# KiCad board everestCM4.kicad_pcb (continued)
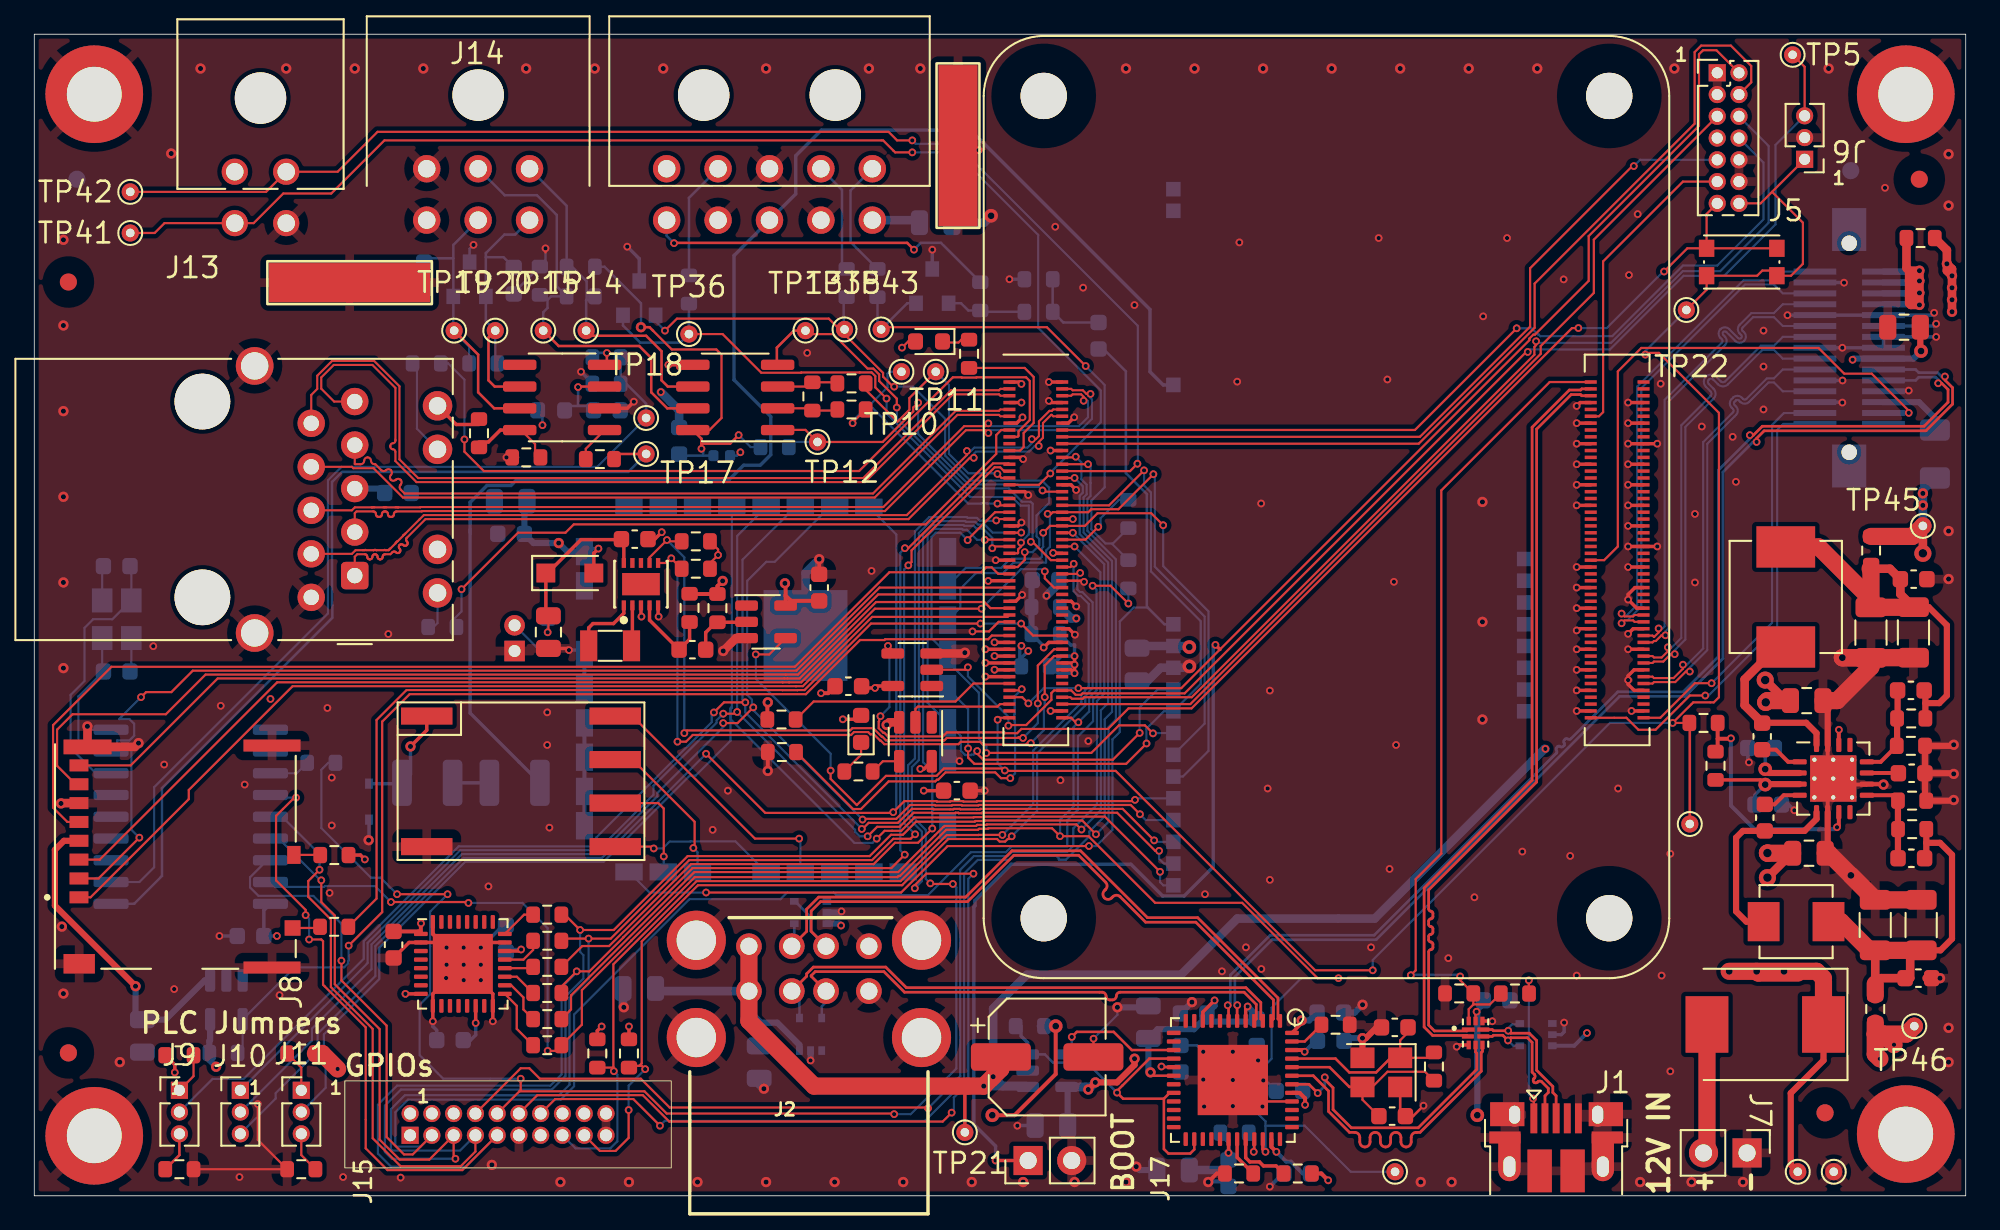
[diagram p0: board, top side]
## Library data of the parts (continued)
R39 R61 = -: Field4: Farnell; Field5: 3495773; Field6: RC0603FR-0722K1L; Field7: Yageo; STANDARD: Resistor 22.1K 50V 0603 M1608 1% 100mW
R41-R44 = -: Field4: Farnell; Field5: 1652857; Field6: CRCW0603220RFKEA; Field7: Vishay; STANDARD: Resistor 220R 50V 0603 M1608 1% 100mW
R50 R58 = -: Field4: Farnell; Field5: 1515760; Field6: BLM15AG121SN1D; Field7: Murata; STANDARD: Resistor 120R 50V 0402 M1005 1% 63mW
R54 = -: Field4: Farnell; Field5: 2331556; Field6: CRG0402F680R; Field7: TE Connectivity; STANDARD: Resistor 680R 50V 0402 M1005 1% 63mW
R60 = -: Field4: Farnell; Field5: 2059499; Field6: ERJ3EKF1243V; Field7: Panasonic; STANDARD: Resistor 124K 50V 0603 M1608 1% 100mW
SW1 = -: Field4: Farnell; Field5: 3023215; Field6: PTS810SJK250SMTR LFS; Field7: C&K; Part Description: Tactile Switch, PTSActuated, Surface Mount, Oval Button, 260 gf, 50mA at 16VDC
U1 U3 U16 = -: Field4: Farnell; Field5: 1827640; Field6: SP3003-02JTG; Field7: Littlefuse; Part Description: TVS Diode USB
U4 U13 = -: Field4: Digikey; Field5: AP22804AW5-7DICT-ND; Field7: Diodes; Part Description: Power Switch/Driver 1:1 N-Channel 2.5A TSOT-23-5
U5 = -: Field4: Digikey; Field5: 568-10235-1-ND; Field6: PCF85063ATL/1,118; Field7: NXP; Part Description: Realtime Clock/Calendar I2C Interface
U6 = -: Field4: Farnell; Field5: 2783900; Field6: 93628-3721; Field7: Molex; Part Description: Modular Connector, RJ45 Jack, 1 x 1 (Port), 8P8C, Cat5e, Panel Mount
U7 U8 U10 = -: Field4: Digikey; Field5: 74LVC1G07QW5-7CT-ND; Field7: Diodes; Part Description: Buffer, Non-Inverting 1 Element 1 Bit per Element Open Drain Output SOT-353
U9 = -: Field4: Digikey; Field5: 2156-SLB9670XQ12FW640XUMA1-ND; Field6: SLB9670XQ12FW640XUMA1; Field7: Infineon; Part Description: Trusted Platform Module (TPM)
U11 = -: Field4: Digikey; Field5: 296-36448-1-ND; Field6: TPS54394RSAT; Field7: Texas; Part Description: Buck Switching Regulator IC Positive Adjustable 0.76V 2 Output 3A 16-VQFN Exposed Pad
U12 = -: Field4: Digikey; Field5: PI3USB102ZLEXCT-ND; Field7: Diodes; Part Description: USB Switch IC 1 Channel 10-TQFN
U14 = -: Part Description: PLC Module Option 2
U15 = -: Part Description: PLC Module Option 1
U21 = -: Field4: Digikey; Field5: 505-ADM3485EARZ-ND; Field7: Analog Devices; Part Description: Half Duplex, 10Mbps RS485/RS422
U22 = -: Field4: Digikey; Field5: 296-20723-1-ND; Field6: SN65HVD230MDREP; Field7: Texas; Part Description: CAN Transceiver
Y1 Y3 = -: Field4: Farnell; Field5: 3228349; Field6: ABM8-24.000MHZ-10-B1U-T; Field7: Abracon; Part Description: Crystal, 24 MHz, SMD, 3.2mm x 2.5mm, 10 ppm, 10 pF, 10 ppm, ABM8
Y2 = -: Field4: Farnell; Field5: 2467441; Field7: AEL; Part Description: Crystal 32.768KHz 7pF 20pmm

## Footprints (pads in the part's own frame, mm; a bottom-side part is the same pattern mirrored in y, then rotated)
66200421022
  round 3 hole 3 unplated: (0,0)
  round 1.53 hole 1.02: 1(1.5,4.3) 2(-1.5,4.3) 3(1.5,7.3) 4(-1.5,7.3)
66200621022
  round 3 hole 3 unplated: (0,-4.3)
  round 1.6 hole 1.02: 1(-3,3) 2(0,3) 3(3,3) 4(-3,0) 5(0,0) 6(3,0)
66201021022
  round 3 hole 3 unplated: (-3.84,-4.3) (3.84,-4.3)
  round 1.6 hole 1.02: 1(-6,3) 2(-3,3) 3(0,3) 4(3,3) 5(6,3) 6(-6,0) 7(-3,0) 8(0,0) 9(3,0) 10(6,0)
C_0603_1608Metric
  rrect 0.9x0.95 smd: 1(-0.775,0) 2(0.775,0)
C_0805_2012Metric
  rrect 1x1.45 smd: 1(-0.95,0) 2(0.95,0)
C_1206_3216Metric
  rrect 1.15x1.8 smd: 1(-1.475,0) 2(1.475,0)
C_1210_3225Metric
  rrect 1.15x2.7 smd: 1(-1.475,0) 2(1.475,0)
CP_Elec_6.3x3
  rrect 3.5x1.6 smd: 1(-2.7,0) 2(2.7,0)
Crystal_SMD_3215-2Pin_3.2x1.5mm
  rect 1x1.8 smd: 1(1.25,0) 2(-1.25,0)
Crystal_SMD_Abracon_ABM8G-4Pin_3.2x2.5mm
  rect 1.4x1.2 smd: 1(-1.1,-0.85) 2(1.1,-0.85) 3(1.1,0.85) 4(-1.1,0.85)
D_SMC
  rect 2.5x3.3 smd: 1(-3.4,0) 2(3.4,0)
D_SOD-123F
  rect 1.1x1.1 smd: 1(-1.4,0) 2(1.4,0)
D_SOD-323
  rect 0.6x0.45 smd: 1(-1.05,0) 2(1.05,0)
Fiducial_1mm_Mask3mm
  round 1 smd: (0,0)
Fuse_1206_3216Metric
  rrect 1.25x1.75 smd: 1(-1.4,0) 2(1.4,0)
L_0402_1005Metric
  rrect 0.59x0.64 smd: 1(-0.485,0) 2(0.485,0)
L_0603_1608Metric
  rrect 0.875x0.95 smd: 1(-0.787,0) 2(0.787,0)
L_Vishay_IHLP-1616
  rect 1.855x2.286 smd: 1(-1.892,0) 2(1.892,0)
L_Vishay_IHLP-2525
  rect 2.413x3.429 smd: 1(-2.921,0) 2(2.921,0)
LED_0603_1608Metric
  rrect 0.875x0.95 smd: 1(-0.787,0) 2(0.787,0)
Molex_SlimStack_52901-0374_2x15_P0.635mm_Vertical
  round 0.9 hole 0.9 unplated: (-6.1,0) (6.1,0)
  rect 0.35x2.5 smd: 1(-4.445,2) 2(-4.445,-2) 3(-3.81,2) 4(-3.81,-2) 5(-3.175,2) 6(-3.175,-2) 7(-2.54,2) 8(-2.54,-2) 9(-1.905,2) 10(-1.905,-2) 11(-1.27,2) 12(-1.27,-2) 13(-0.635,2) 14(-0.635,-2) 15(0,2) 16(0,-2) 17(0.635,2) 18(0.635,-2) 19(1.27,2) 20(1.27,-2) 21(1.905,2) 22(1.905,-2) 23(2.54,2) 24(2.54,-2) 25(3.175,2) 26(3.175,-2) 27(3.81,2) 28(3.81,-2) 29(4.445,2) 30(4.445,-2)
  rect 2.5x2 smd: 31(-6.9,0) 31(6.9,0)
MOLEX_USB_67298-4090
  round 1.5 hole 1: 1(-3.5,5.33) 2(-1,5.33) 3(1,5.33) 4(3.5,5.33) 5(-3.5,2.71) 6(-1,2.71) 7(1,2.71) 8(3.5,2.71)
  round 3.45 hole 2.3: MT1(-6.57,0) MT2(6.57,0) MT3(-6.57,5.68) MT4(6.57,5.68)
MountingHole_3.2mm_M3_ISO7380_Pad
  round 5.7 hole 3.2: 1(0,0)
NXP_Semiconductors-SOT1197-1-02_2016-0-MFG
  rect 0.4x0.8 smd: (0,0)
  rect 0.575x0.25 smd: 1(-1.238,1) 2(-1.238,0.5) 3(-1.238,0) 4(-1.238,-0.5) 5(-1.238,-1) 6(1.238,-1) 7(1.238,-0.5) 8(1.238,0) 9(1.238,0.5) 10(1.238,1)
  rect 1.3x2.2 smd: 11(0,0)
Panasonic-ML-621S_DN-0-0-MFG
  rect 1.2x1.2 hole 0.7: 1(0.75,-1.1)
  round 1.2 hole 0.7: 2(-0.75,-1.1)
PinHeader_1x02_P2.54mm_Vertical
  rect 1.7x1.7 hole 1: 1(0,0)
  oval 1.7x1.7 hole 1: 2(0,-2.54)
PinHeader_1x03_P1.27mm_Vertical
  rect 1x1 hole 0.65: 1(0,0)
  oval 1x1 hole 0.65: 2(0,-1.27) 3(0,-2.54)
PinHeader_2x07_P1.27mm_Vertical
  rect 1x1 hole 0.65: 1(0,0)
  oval 1x1 hole 0.65: 2(1.27,0) 3(0,-1.27) 4(1.27,-1.27) 5(0,-2.54) 6(1.27,-2.54) 7(0,-3.81) 8(1.27,-3.81) 9(0,-5.08) 10(1.27,-5.08) 11(0,-6.35) 12(1.27,-6.35) 13(0,-7.62) 14(1.27,-7.62)
PLC_RED_Beet
  rect 2.4x2.2 smd: (6.2,-14.1) (6.3,-11.8) (8.8,-14.1) (8.8,-11.7)
  rect 1.6x1 smd: 1(18.6,0) 2(16.6,0) 3(14.6,0) 4(12.6,0) 5(10.6,0) 6(8.6,0) 7(4.6,0) 8(2.6,0) 17(2.6,-21.2) 18(4.6,-21.2) 19(6.6,-21.2) 20(8.6,-21.2) 21(10.6,-21.2) 22(12.6,-21.2) 23(14.6,-21.2) 24(18.6,-21.2)
  rect 1x1.6 smd: 9(0,-2.6) 10(0,-4.6) 11(0,-6.6) 12(0,-8.6) 13(0,-10.6) 14(0,-12.6) 15(0,-14.6) 16(0,-16.6) 25(21.3,-18.6) 26(21.3,-16.6) 27(21.3,-14.6) 28(21.3,-12.6) 29(21.3,-10.6) 30(21.3,-6.6) 31(21.3,-4.6) 32(21.3,-2.6)
  rect 5.3x4.9 smd: 33(7.5,-12.9)
PLC_Stamp_mini_2
  rect 0.85x0.85 smd: 1(20.48,10.235) 2(19.21,10.235) 3(17.94,10.235) 4(16.67,10.235) 5(15.4,10.235) 6(14.13,10.235) 7(12.86,10.235) 8(11.59,10.235) 9(10.32,10.235) 10(9.05,10.235) 11(7.78,10.235) 12(6.51,10.235) 13(5.24,10.235) 15(-8.73,10.235) 16(-18.89,10.235) 17(-20.16,10.235) 18(1.43,-10.235) 19(2.7,-10.235) 20(3.97,-10.235) 21(5.24,-10.235) 22(6.51,-10.235) 23(7.78,-10.235) 24(9.05,-10.235) 25(10.32,-10.235)
QFN-16-1EP_4x4mm_P0.65mm_EP2.7x2.7mm_ThermalVias
  rrect 1.17x1.17 smd: (-0.675,0.675) (-0.675,-0.675) (0.675,0.675) (0.675,-0.675)
  rrect 0.825x0.3 smd: 1(-1.962,0.975) 2(-1.962,0.325) 3(-1.962,-0.325) 4(-1.962,-0.975) 9(1.962,-0.975) 10(1.962,-0.325) 11(1.962,0.325) 12(1.962,0.975)
  rrect 0.3x0.825 smd: 5(-0.975,-1.962) 6(-0.325,-1.962) 7(0.325,-1.962) 8(0.975,-1.962) 13(0.975,1.962) 14(0.325,1.962) 15(-0.325,1.962) 16(-0.975,1.962)
  round 0.5 hole 0.25: 17(-1.1,1.1) 17(-1.1,0) 17(-1.1,-1.1) 17(0,1.1) 17(0,0) 17(0,-1.1) 17(1.1,1.1) 17(1.1,0) 17(1.1,-1.1)
  rect 2.7x2.7 smd: 17(0,0)
  rect 2.7x2.7 smd far side: 17(0,0)
QFN-48-1EP_7x7mm_P0.5mm_EP4.1x4.1mm
  rrect 1.5x1.5 smd: (-1,1) (-1,-1) (1,1) (1,-1)
  rrect 0.8x0.25 smd: 1(-3.45,2.75) 2(-3.45,2.25) 3(-3.45,1.75) 4(-3.45,1.25) 5(-3.45,0.75) 6(-3.45,0.25) 7(-3.45,-0.25) 8(-3.45,-0.75) 9(-3.45,-1.25) 10(-3.45,-1.75) 11(-3.45,-2.25) 12(-3.45,-2.75) 25(3.45,-2.75) 26(3.45,-2.25) 27(3.45,-1.75) 28(3.45,-1.25) 29(3.45,-0.75) 30(3.45,-0.25) 31(3.45,0.25) 32(3.45,0.75) 33(3.45,1.25) 34(3.45,1.75) 35(3.45,2.25) 36(3.45,2.75)
  rrect 0.25x0.8 smd: 13(-2.75,-3.45) 14(-2.25,-3.45) 15(-1.75,-3.45) 16(-1.25,-3.45) 17(-0.75,-3.45) 18(-0.25,-3.45) 19(0.25,-3.45) 20(0.75,-3.45) 21(1.25,-3.45) 22(1.75,-3.45) 23(2.25,-3.45) 24(2.75,-3.45) 37(2.75,3.45) 38(2.25,3.45) 39(1.75,3.45) 40(1.25,3.45) 41(0.75,3.45) 42(0.25,3.45) 43(-0.25,3.45) 44(-0.75,3.45) 45(-1.25,3.45) 46(-1.75,3.45) 47(-2.25,3.45) 48(-2.75,3.45)
  rect 4.1x4.1 smd: 49(0,0)
R_0603_1608Metric
  rrect 0.8x0.95 smd: 1(-0.825,0) 2(0.825,0)
Raspberry-Pi-4-Compute-Module
  round 2.7 hole 2.7 unplated: (0,48) (0,0) (33,48) (33,0)
  rect 0.7x0.2 smd: 1(-2,31.3) 2(1.08,31.3) 3(-2,30.9) 4(1.08,30.9) 5(-2,30.5) 6(1.08,30.5) 7(-2,30.1) 8(1.08,30.1) 9(-2,29.7) 10(1.08,29.7) 11(-2,29.3) 12(1.08,29.3) 13(-2,28.9) 14(1.08,28.9) 15(-2,28.5) 16(1.08,28.5) 17(-2,28.1) 18(1.08,28.1) 19(-2,27.7) 20(1.08,27.7) 21(-2,27.3) 22(1.08,27.3) 23(-2,26.9) 24(1.08,26.9) 25(-2,26.5) 26(1.08,26.5) 27(-2,26.1) 28(1.08,26.1) 29(-2,25.7) 30(1.08,25.7) 31(-2,25.3) 32(1.08,25.3) 33(-2,24.9) 34(1.08,24.9) 35(-2,24.5) 36(1.08,24.5) 37(-2,24.1) 38(1.08,24.1) 39(-2,23.7) 40(1.08,23.7) 41(-2,23.3) 42(1.08,23.3) 43(-2,22.9) 44(1.08,22.9) 45(-2,22.5) 46(1.08,22.5) 47(-2,22.1) 48(1.08,22.1) 49(-2,21.7) 50(1.08,21.7) 51(-2,21.3) 52(1.08,21.3) 53(-2,20.9) 54(1.08,20.9) 55(-2,20.5) 56(1.08,20.5) 57(-2,20.1) 58(1.08,20.1) 59(-2,19.7) 60(1.08,19.7) 61(-2,19.3) 62(1.08,19.3) 63(-2,18.9) 64(1.08,18.9) 65(-2,18.5) 66(1.08,18.5) 67(-2,18.1) 68(1.08,18.1) 69(-2,17.7) 70(1.08,17.7) 71(-2,17.3) 72(1.08,17.3) 73(-2,16.9) 74(1.08,16.9) 75(-2,16.5) 76(1.08,16.5) 77(-2,16.1) 78(1.08,16.1) 79(-2,15.7) 80(1.08,15.7) 81(-2,15.3) 82(1.08,15.3) 83(-2,14.9) 84(1.08,14.9) 85(-2,14.5) 86(1.08,14.5) 87(-2,14.1) 88(1.08,14.1) 89(-2,13.7) 90(1.08,13.7) 91(-2,13.3) 92(1.08,13.3) 93(-2,12.9) 94(1.08,12.9) 95(-2,12.5) 96(1.08,12.5) 97(-2,12.1) 98(1.08,12.1) 99(-2,11.7) 100(1.08,11.7) 101(31.92,31.3) 102(35,31.3) 103(31.92,30.9) 104(35,30.9) 105(31.92,30.5) 106(35,30.5) 107(31.92,30.1) 108(35,30.1) 109(31.92,29.7) 110(35,29.7) 111(31.92,29.3) 112(35,29.3) 113(31.92,28.9) 114(35,28.9) 115(31.92,28.5) 116(35,28.5) 117(31.92,28.1) 118(35,28.1) 119(31.92,27.7) 120(35,27.7) 121(31.92,27.3) 122(35,27.3) 123(31.92,26.9) 124(35,26.9) 125(31.92,26.5) 126(35,26.5) 127(31.92,26.1) 128(35,26.1) 129(31.92,25.7) 130(35,25.7) 131(31.92,25.3) 132(35,25.3) 133(31.92,24.9) 134(35,24.9) 135(31.92,24.5) 136(35,24.5) 137(31.92,24.1) 138(35,24.1) 139(31.92,23.7) 140(35,23.7) 141(31.92,23.3) 142(35,23.3) 143(31.92,22.9) 144(35,22.9) 145(31.92,22.5) 146(35,22.5) 147(31.92,22.1) 148(35,22.1) 149(31.92,21.7) 150(35,21.7) 151(31.92,21.3) 152(35,21.3) 153(31.92,20.9) 154(35,20.9) 155(31.92,20.5) 156(35,20.5) 157(31.92,20.1) 158(35,20.1) 159(31.92,19.7) 160(35,19.7) 161(31.92,19.3) 162(35,19.3) 163(31.92,18.9) 164(35,18.9) 165(31.92,18.5) 166(35,18.5) 167(31.92,18.1) 168(35,18.1) 169(31.92,17.7) 170(35,17.7) 171(31.92,17.3) 172(35,17.3) 173(31.92,16.9) 174(35,16.9) 175(31.92,16.5) 176(35,16.5) 177(31.92,16.1) 178(35,16.1) 179(31.92,15.7) 180(35,15.7) 181(31.92,15.3) 182(35,15.3) 183(31.92,14.9) 184(35,14.9) 185(31.92,14.5) 186(35,14.5) 187(31.92,14.1) 188(35,14.1) 189(31.92,13.7) 190(35,13.7) 191(31.92,13.3) 192(35,13.3) 193(31.92,12.9) 194(35,12.9) 195(31.92,12.5) 196(35,12.5) 197(31.92,12.1) 198(35,12.1) 199(31.92,11.7) 200(35,11.7)
RJ45_Molex_93628-3721_Horizontal
  round 3.25 hole 3.25 unplated: (8.89,1.27) (8.89,-10.16)
  round 1.6 hole 0.9: 1(0,-10.16) 2(2.54,-8.89) 3(0,-7.62) 4(2.54,-6.35) 5(0,-5.08) 6(2.54,-3.81) 7(0,-2.54) 8(2.54,-1.27) 10(2.54,1.27)
  rrect 1.6x1.6 hole 0.9: 9(0,0)
  round 1.72 hole 1.02: 11(-4.83,-9.91) 12(-4.83,-7.37) 13(-4.83,-1.53) 14(-4.83,1.01)
  round 2.2 hole 1.6: 15(5.84,-12.24) 16(5.84,3.35)
S2711-46R_SheildClip
  rect 9.4x2.28 smd: 1(0,0)
SC70-5
  rect 0.5x0.4 smd: 1(-0.95,0.65) 2(-0.95,0) 3(-0.95,-0.65) 4(0.95,-0.65) 5(0.95,0.65)
SDCARD_MOLEX_503398-1892
  rect 0.7x1.1 smd: 1(-2.38,5.625) 2(-1.28,5.625) 3(-0.18,5.625) 4(0.92,5.625) 5(2.02,5.625) 6(3.12,5.625) 7(4.22,5.625) 8(5.32,5.625)
  rect 0.9x0.93 smd: 9(-4.17,-6.84)
  rect 1.05x0.78 smd: 10(0.095,-6.915)
  rect 0.7x3.33 smd: 11(-6.48,-5.64) 11(6.48,-5.64)
  rect 1.14x1.83 smd: 11(-6.26,5.61)
  rect 0.86x2.8 smd: 11(6.4,5.125)
SOIC-8_3.9x4.9mm_P1.27mm
  rrect 1.95x0.6 smd: 1(-2.475,1.905) 2(-2.475,0.635) 3(-2.475,-0.635) 4(-2.475,-1.905) 5(2.475,-1.905) 6(2.475,-0.635) 7(2.475,0.635) 8(2.475,1.905)
SOIC-18W_7.5x11.6mm_P1.27mm
  rrect 2.05x0.6 smd: 1(-4.65,5.08) 2(-4.65,3.81) 3(-4.65,2.54) 4(-4.65,1.27) 5(-4.65,0) 6(-4.65,-1.27) 7(-4.65,-2.54) 8(-4.65,-3.81) 9(-4.65,-5.08) 10(4.65,-5.08) 11(4.65,-3.81) 12(4.65,-2.54) 13(4.65,-1.27) 14(4.65,0) 15(4.65,1.27) 16(4.65,2.54) 17(4.65,3.81) 18(4.65,5.08)
SOT-23
  rect 0.9x0.8 smd: 1(-1,0.95) 2(-1,-0.95) 3(1,0)
SOT-23-5
  rrect 1.325x0.6 smd: 1(-1.137,0.95) 2(-1.137,0) 3(-1.137,-0.95) 4(1.137,-0.95) 5(1.137,0.95)
SW_PI3USB102ZLEX
  rect 0.75x0.25 smd: 1(-0.425,0.2)
  rect 0.7x0.25 smd: 2(-0.45,-0.2) 6(0.45,-0.2) 7(0.45,0.2)
  rect 0.25x0.5 smd: 3(-0.4,-0.7) 4(0,-0.7) 5(0.4,-0.7) 8(0.4,0.7) 9(0,0.7) 10(-0.4,0.7)
SW_Push_1P1T_NO_CK_KMR2
  rect 0.9x1 smd: 1(-2.05,0.8) 1(2.05,0.8) 2(-2.05,-0.8) 2(2.05,-0.8)
TestPoint_THTPad_D1.0mm_Drill0.5mm
  round 1 hole 0.5: 1(0,0)
USB_Micro-B_EDAC_UCON00686
  rect 0.4x1.75 smd: 1(-1.3,2.82) 2(-0.65,2.82) 3(0,2.82) 4(0.65,2.82) 5(1.3,2.82)
  rect 1.825x0.7 smd: 6(-2.987,1.7) 6(2.987,1.7)
  rect 2x1.4 smd: 6(-2.85,3.06) 6(2.9,3.06)
  rect 1.3x2 smd: 6(-2.725,0.93) 6(2.725,0.93)
  oval 1.3x1.7 hole 0.7x1.2: 6(-2.725,0) 6(2.725,0)
  oval 1x1.4 hole 0.65x1.05: 6(-2.425,3.03) 6(2.425,3.03)
  rect 1.425x2.5 smd: 6(-0.963,-0.25) 6(0.963,-0.25)
VQFN-32-1EP_5x5mm_P0.5mm_EP3.5x3.5mm
  rrect 1.41x1.41 smd: (-0.875,0.875) (-0.875,-0.875) (0.875,0.875) (0.875,-0.875)
  rrect 0.8x0.25 smd: 1(-2.45,1.75) 2(-2.45,1.25) 3(-2.45,0.75) 4(-2.45,0.25) 5(-2.45,-0.25) 6(-2.45,-0.75) 7(-2.45,-1.25) 8(-2.45,-1.75) 17(2.45,-1.75) 18(2.45,-1.25) 19(2.45,-0.75) 20(2.45,-0.25) 21(2.45,0.25) 22(2.45,0.75) 23(2.45,1.25) 24(2.45,1.75)
  rrect 0.25x0.8 smd: 9(-1.75,-2.45) 10(-1.25,-2.45) 11(-0.75,-2.45) 12(-0.25,-2.45) 13(0.25,-2.45) 14(0.75,-2.45) 15(1.25,-2.45) 16(1.75,-2.45) 25(1.75,2.45) 26(1.25,2.45) 27(0.75,2.45) 28(0.25,2.45) 29(-0.25,2.45) 30(-0.75,2.45) 31(-1.25,2.45) 32(-1.75,2.45)
  rect 3.5x3.5 smd: 33(0,0)
WE62702021621_PinSocket_2x10_P1.27mm_Vertical
  rect 1x1 hole 0.7: 1(-1.27,0)
  round 1 hole 0.7: 2(0,0)
  oval 1x1 hole 0.7: 3(-1.27,-1.27) 4(0,-1.27) 5(-1.27,-2.54) 6(0,-2.54) 7(-1.27,-3.81) 8(0,-3.81) 9(-1.27,-5.08) 10(0,-5.08) 11(-1.27,-6.35) 12(0,-6.35) 13(-1.27,-7.62) 14(0,-7.62) 15(-1.27,-8.89) 16(0,-8.89) 17(-1.27,-10.16) 18(0,-10.16) 19(-1.27,-11.43) 20(0,-11.43)
YT-35636
  rect 3x1 smd: 1(-5.5,0) 4(-5.5,-7.62) 5(5.5,-7.62) 6(5.5,-5.08) 7(5.5,-2.54) 8(5.5,0)

## Nets
+3.3V: C1.1 C3.1 C4.1 C6.1 C7.1 C8.1 C9.1 C10.1 C18.2 C21.1 C22.1 C23.1 C25.2 C27.2 C50.1 C64.1 C65.1 D1.2 D2.2 D3.2 J13.1 J15.1 J15.2 L2.1 L3.2 R6.2 R9.2 R10.1 R11.2 R14.1 R15.1 R16.1 R17.1 R18.2 R23.1 R27.1 R28.2 R32.2 R34.1 R56.1 TP46.1 U2.5 U2.10 U2.18 U2.30 U2.35 U2.41 U2.48 U6.11 U6.13 U9.1 U9.8 U9.14 U9.22 U10.5 U12.9 U13.5 U14.8 U15.12 U17.18
+5V: C11.1 C19.1 C61.2 F2.2 Module2.77 Module2.79 Module2.81 Module2.83 Module2.85 Module2.87 R12.2 R13.2 R37.2 R62.1 TP45.1 U3.3 U4.5 U7.5 U8.5
+12V: C16.2 C33.1 C34.1 C36.2 C53.1 D4.1 J3.1 R59.1 TP44.1 U11.2 U11.3 U11.14
/CM4_GPIO ( Ethernet, GPIO, SDCARD)/+3.3v_Pi: Module2.84 Module2.86 R18.1 R57.1
/USB2-HUB/VBUS: C12.1 C13.1 C14.1 C15.1 J2.1 J2.5 J4.18 TP21.1 U1.3 U4.1 U16.3
GND: BT1.1 C1.2 C2.2 C3.2 C4.2 C5.2 C6.2 C7.2 C8.2 C9.2 C10.2 C11.2 C12.2 C13.2 C14.2 C15.2 C16.1 C17.2 C18.1 C19.2 C21.2 C22.2 C23.2 C24.2 C25.1 C27.1 C31.2 C33.2 C34.2 C35.2 C36.1 C38.2 C40.2 C41.2 C42.2 C43.2 C44.2 C45.2 C46.1 C47.1 C48.2 C49.2 C50.2 C53.2 C54.2 C58.1 C59.1 C60.1 C61.1 C63.2 C64.2 C65.2 D5.3 D6.3 D8.3 D9.1 H1.1 H2.1 H3.1 H4.1 J1.5 J1.6 J2.4 J2.8 J2.MT1 J2.MT2 J2.MT3 J2.MT4 J3.2 J3.4 J3.8 J4.3 J4.9 J4.10 J4.12 J4.14 J4.15 J4.16 J4.21 J4.24 J4.25 J4.31 J5.1 J5.3 J5.7 J5.10 J5.12 J6.2 J7.1 J8.6 J8.11 J12.1 J13.4 J14.3 J14.6 J15.11 J15.19 J15.20 J16.1 J17.2 Module2.1 Module2.2 Module2.7 Module2.8 Module2.13 Module2.14 Module2.22 Module2.23 Module2.32 Module2.33 Module2.42 Module2.43 Module2.52 Module2.53 Module2.59 Module2.60 Module2.65 Module2.66 Module2.71 Module2.74 Module2.98 Module2.107 Module2.108 Module2.113 Module2.114 Module2.119 Module2.120 Module2.125 Module2.126 Module2.131 Module2.132 Module2.137 Module2.138 Module2.144 Module2.150 Module2.155 Module2.156 Module2.161 Module2.162 Module2.167 Module2.168 Module2.173 Module2.174 Module2.179 Module2.180 Module2.185 Module2.186 Module2.191 Module2.192 Module2.197 Module2.198 R3.2 R5.2 R8.1 R20.2 R21.2 R29.1 R31.2 R33.1 R39.2 R51.2 R52.2 R54.2 R61.2 T1.4 TP3.1 U1.2 U2.40 U2.49 U3.2 U4.2 U5.3 U5.5 U6.10 U6.15 U6.16 U7.3 U8.3 U9.2 U9.9 U9.16 U9.23 U9.32 U9.33 U10.3 U11.6 U11.10 U11.15 U11.17 U12.3 U12.8 U13.2 U14.1 U14.2 U14.3 U14.4 U14.5 U14.6 U14.7 U14.9 U14.10 U14.11 U14.17 U14.23 U14.24 U14.25 U14.26 U14.27 U14.33 U15.11 U15.16 U15.17 U15.18 U15.19 U15.20 U15.21 U15.22 U15.23 U15.24 U15.25 U16.2 U17.9 U21.5 U22.2 Y1.2 Y1.4 Y3.2 Y3.4
/AUX_CS: J15.3 Module2.50 U17.16
/AUX_GPIO1: J15.8 Module2.46
/AUX_GPIO2: J15.10 Module2.45 R35.2
/AUX_GPIO3: J15.12 Module2.41
/AUX_GPIO4: J15.14 Module2.24
/AUX_MISO: J15.5 Module2.26 R65.1 U17.15
/AUX_MOSI: J15.7 Module2.27 R66.1 U17.14
/AUX_SCL: J15.15 Module2.56 R16.2
/AUX_SCLK: J15.9 Module2.25 R63.1 U17.13
/AUX_SDA: J15.17 Module2.58 R17.2
/CAN_RX: Module2.35
/CAN_TX: Module2.36
/CM4_GPIO ( Ethernet, GPIO, SDCARD)/AIN0: J5.5 Module2.96
/CM4_GPIO ( Ethernet, GPIO, SDCARD)/AIN1: J5.6 Module2.94
/CM4_GPIO ( Ethernet, GPIO, SDCARD)/BT_nDis: Module2.91 R21.1
/CM4_GPIO ( Ethernet, GPIO, SDCARD)/EEPROM_nWP: J5.4 Module2.20
/CM4_GPIO ( Ethernet, GPIO, SDCARD)/ETH_LEDG: Module2.17 R25.1
/CM4_GPIO ( Ethernet, GPIO, SDCARD)/ETH_LEDY: Module2.15 R26.1
/CM4_GPIO ( Ethernet, GPIO, SDCARD)/GPIO27: Module2.48 R1.1
/CM4_GPIO ( Ethernet, GPIO, SDCARD)/nPWR_LED: Module2.95 U10.2
/CM4_GPIO ( Ethernet, GPIO, SDCARD)/nRPIBOOT: J5.2 J17.1 Module2.93
/CM4_GPIO ( Ethernet, GPIO, SDCARD)/Reserved: Module2.76 R24.1
/CM4_GPIO ( Ethernet, GPIO, SDCARD)/RUN_PG: J6.3 Module2.92 TP5.1 U8.2
/CM4_GPIO ( Ethernet, GPIO, SDCARD)/SCL0: Module2.80 R14.2 U5.7
/CM4_GPIO ( Ethernet, GPIO, SDCARD)/SD_CLK: J8.5 Module2.57
/CM4_GPIO ( Ethernet, GPIO, SDCARD)/SD_CMD: J8.3 Module2.62
/CM4_GPIO ( Ethernet, GPIO, SDCARD)/SD_DAT0: J8.7 Module2.63
/CM4_GPIO ( Ethernet, GPIO, SDCARD)/SD_DAT1: J8.8 Module2.67
/CM4_GPIO ( Ethernet, GPIO, SDCARD)/SD_DAT2: J8.1 Module2.69
/CM4_GPIO ( Ethernet, GPIO, SDCARD)/SD_DAT3: J8.2 Module2.61
/CM4_GPIO ( Ethernet, GPIO, SDCARD)/SD_PWR: C24.1 J8.4 U13.1
/CM4_GPIO ( Ethernet, GPIO, SDCARD)/SD_PWR_ON: Module2.75 R27.2 U13.4
/CM4_GPIO ( Ethernet, GPIO, SDCARD)/SDA0: Module2.82 R15.2 U5.6
/CM4_GPIO ( Ethernet, GPIO, SDCARD)/SLB_PIRQ: Module2.30 R67.1
/CM4_GPIO ( Ethernet, GPIO, SDCARD)/SPI1_CE0_N: Module2.49 R64.1
/CM4_GPIO ( Ethernet, GPIO, SDCARD)/SYNC_IN: J5.8 Module2.16
/CM4_GPIO ( Ethernet, GPIO, SDCARD)/SYNC_OUT: J5.9 Module2.18
/CM4_GPIO ( Ethernet, GPIO, SDCARD)/TRD0_N: Module2.10 U6.8
/CM4_GPIO ( Ethernet, GPIO, SDCARD)/TRD0_P: Module2.12 U6.9
/CM4_GPIO ( Ethernet, GPIO, SDCARD)/TRD1_N: Module2.6 U6.6
/CM4_GPIO ( Ethernet, GPIO, SDCARD)/TRD1_P: Module2.4 U6.7
/CM4_GPIO ( Ethernet, GPIO, SDCARD)/TRD2_N: Module2.9 U6.3
/CM4_GPIO ( Ethernet, GPIO, SDCARD)/TRD2_P: Module2.11 U6.4
/CM4_GPIO ( Ethernet, GPIO, SDCARD)/TRD3_N: Module2.5 U6.1
/CM4_GPIO ( Ethernet, GPIO, SDCARD)/TRD3_P: Module2.3 U6.2
/CM4_GPIO ( Ethernet, GPIO, SDCARD)/TV_OUT: J5.11 Module2.111
/CM4_GPIO ( Ethernet, GPIO, SDCARD)/WL_nDis: Module2.89 R20.1
/CM4_HighSpeed/HDMI0_CEC: Module2.151
/CM4_HighSpeed/HDMI0_CK_N: J4.23 Module2.190
/CM4_HighSpeed/HDMI0_CK_P: J4.19 Module2.188
/CM4_HighSpeed/HDMI0_D0_N: J4.17 Module2.184
/CM4_HighSpeed/HDMI0_D0_P: J4.13 Module2.182
/CM4_HighSpeed/HDMI0_D1_N: J4.11 Module2.178
/CM4_HighSpeed/HDMI0_D1_P: J4.7 Module2.176
/CM4_HighSpeed/HDMI0_D2_N: J4.5 Module2.172
/CM4_HighSpeed/HDMI0_D2_P: J4.1 Module2.170
/CM4_HighSpeed/HDMI0_HOTPLUG: J4.28 Module2.153
/CM4_HighSpeed/HDMI0_SCL: J4.27 Module2.200
/CM4_HighSpeed/HDMI0_SDA: J4.29 Module2.199
/CM4_HighSpeed/HDMI_5v: F2.1 J4.26
/CM4_HighSpeed/USB2_N: Module2.103 U12.2
/CM4_HighSpeed/USB2_P: Module2.105 U12.1
/CM4_HighSpeed/USBOTG_ID: Module2.101 R3.1 R4.2 U12.10
/External Connectors/CAN_H: C59.2 D8.2 J14.2 R58.1 TP19.1 U22.7
/External Connectors/CAN_L: C60.2 D8.1 J14.1 R58.2 TP20.1 U22.6
/External Connectors/CAN_RX: R54.1 R55.1 TP18.1 U17.2
/External Connectors/CAN_TX: R53.1 TP17.1 U17.1
/External Connectors/RS485_A: J14.4 R49.2 R50.1 TP14.1 U21.6
/External Connectors/RS485_B: J14.5 R50.2 R51.1 TP15.1 U21.7
/GLOBAL_EN: J5.14 J6.1 Module2.99 R40.1 SW1.1 TP4.1 TP22.1 U7.4
/Hi-Lo Level Connector/ZC: D5.1 R30.1 R41.2
/nEXTRST: Module2.100 R2.2 R45.1 TP23.1 U2.34 U17.17
/PLC Modem/CP: C28.1 J3.3 U15.15
/PLC Modem/GPIO_0: J11.2 U14.12 U15.1
/PLC Modem/GPIO_1: J10.1 U14.13 U15.2
/PLC Modem/GPIO_2: J9.2 U14.14 U15.3
/PLC Modem/GPIO_3: J10.2 U14.15 U15.4
/PLC Modem/NRESET: J10.3 U14.16 U15.5
/PLC Modem/RXN: T1.8 U14.28
/PLC Modem/RXP: T1.5 U14.29
/PLC Modem/TXN: T1.7 U14.30
/PLC Modem/TXP: T1.6 U14.31
/PLC Modem/ZC_PLC: C26.1 U14.32 U15.13
/PLC_CS: Module2.39 U14.20 U15.8
/PLC_INT: Module2.47 U14.22 U15.10
/PLC_MISO: Module2.40 U14.19 U15.7
/PLC_MOSI: Module2.44 U14.18 U15.6
/PLC_SCK: Module2.38 U14.21 U15.9
/POWER_RST: D5.2 R1.2 R2.1 R42.2 TP43.1
/POWER_RX: D6.2 Module2.51 R44.2 TP36.1
/POWER_TX: D6.1 Module2.55 R43.2 TP35.1
/RFID_RX: J13.2 Module2.28 TP42.1
/RFID_TX: J13.3 Module2.31 TP41.1
/RS485_DE: Module2.29 R47.2 TP11.1
/RS485_RE: Module2.37 R46.2 TP10.1
/RS485_RX: Module2.34 R48.2 TP12.1 U21.1
/RS485_TX: Module2.54 TP13.1 U21.4
/RTC , Wakeup, FAN/nRTC_INT: C20.2 R12.1 U5.4
/USB2-HUB/HD1_N: J2.2 U1.4 U2.1
/USB2-HUB/HD1_P: J2.3 U1.5 U2.2
/USB2-HUB/HD2_N: J2.6 U2.3 U16.4
/USB2-HUB/HD2_P: J2.7 U2.4 U16.5
/USB2-HUB/HD3_N: J4.20 U2.6
/USB2-HUB/HD3_P: J4.22 U2.7
/USB2-HUB/nOCS1: R10.2 U2.16 U2.20 U2.26 U4.3
/USB2-HUB/PWR1: U2.15 U4.4
/USB2-HUB/USBD_N: J1.2 U3.4 U12.6
/USB2-HUB/USBD_P: J1.3 U3.5 U12.7
/USB2-HUB/USBH_N: U2.42 U12.4
/USB2-HUB/USBH_P: U2.43 U12.5
Net-(BT1-Pad2): BT1.2 R7.1
Net-(C2-Pad1): C2.1 R36.1 U2.45 Y1.1
Net-(C5-Pad1): C5.1 R36.2 U2.44 Y1.3
Net-(C17-Pad1): C17.1 C40.1 D1.1 R7.2 U5.10
Net-(C20-Pad1): C20.1 R13.1 U7.2
Net-(C26-Pad2): C26.2 R30.2 R31.1
Net-(C28-Pad2): C28.2 C29.1
Net-(C29-Pad2): C29.2 D9.2 T1.1
Net-(C30-Pad1): C30.1 C31.1 C41.1 C44.1 L4.1 R11.1 R38.1
Net-(C30-Pad2): C30.2 R38.2 R39.1 U11.9
Net-(C32-Pad1): C32.1 U11.4
Net-(C32-Pad2): C32.2 L4.2 U11.5
Net-(C35-Pad1): C35.1 U11.11
Net-(C37-Pad1): C37.1 U11.1
Net-(C37-Pad2): C37.2 L5.1 U11.16
Net-(C38-Pad1): C38.1 C39.1 C42.1 C45.1 L5.2 R60.1 R62.2
Net-(C39-Pad2): C39.2 R60.2 R61.1 U11.12
Net-(C43-Pad1): C43.1 Module2.78 R56.2 R57.2
Net-(C46-Pad2): C46.2 U2.46
Net-(C47-Pad2): C47.2 U2.17
Net-(C48-Pad1): C48.1 U17.7 Y3.1
Net-(C49-Pad1): C49.1 U17.8 Y3.3
Net-(C54-Pad1): C54.1 L2.2 R48.1 R49.1 U21.8
Net-(C58-Pad2): C58.2 L3.1 U22.3
Net-(C63-Pad1): C63.1 U6.5
Net-(D2-Pad1): D2.1 R19.1
Net-(D3-Pad1): D3.1 R22.1
Net-(D4-Pad2): D4.2 J7.2
Net-(J1-Pad1): J1.1 R4.1
Net-(J3-Pad5): J3.5 R41.1
Net-(J3-Pad6): J3.6 R42.1
Net-(J3-Pad7): J3.7 R43.1
Net-(J3-Pad9): J3.9 R44.1
Net-(J4-Pad2): J4.2 J4.4 J4.6 J4.8 R37.1
Net-(J5-Pad13): J5.13 SW1.2 U8.4
Net-(J8-Pad9): J8.9 R24.2
Net-(J8-Pad10): J8.10 R23.2
Net-(J9-Pad1): J9.1 R28.1
Net-(J9-Pad3): J9.3 R29.2
Net-(J11-Pad1): J11.1 R32.1
Net-(J11-Pad3): J11.3 R33.2
Net-(Module2-Pad21): Module2.21 R19.2
Net-(R5-Pad1): R5.1 U2.31
Net-(R6-Pad1): R6.1 U2.33
Net-(R8-Pad2): R8.2 U2.47
Net-(R9-Pad1): R9.1 U2.32
Net-(R22-Pad2): R22.2 U10.4
Net-(R25-Pad2): R25.2 U6.12
Net-(R26-Pad2): R26.2 U6.14
Net-(R34-Pad2): R34.2 R52.1 U22.8
Net-(R35-Pad1): R35.1 U17.12
Net-(R40-Pad2): R40.2 R59.2 U11.7
Net-(R45-Pad2): R45.2 U9.17
Net-(R46-Pad1): R46.1 R68.1 U21.2
Net-(R47-Pad1): R47.1 R68.2 U21.3
Net-(R53-Pad2): R53.2 U22.1
Net-(R55-Pad2): R55.2 U22.4
Net-(R63-Pad2): R63.2 U9.19
Net-(R64-Pad2): R64.2 U9.20
Net-(R65-Pad2): R65.2 U9.24
Net-(R66-Pad2): R66.2 U9.21
Net-(R67-Pad2): R67.2 U9.18
Net-(U5-Pad1): U5.1 Y2.2
Net-(U5-Pad2): U5.2 Y2.1

Pads without a net: J1 4; J3 10; J4 30; J15 4 6 13 16 18; Module2 19 64 68 70 72 73 88 90 97 102 104 106 109 110 112 115 116 117 118 121 122 123 124 127 128 129 130 133 134 135 136 139 140 141 142 143 145 146 147 148 149 152 154 157 158 159 160 163 164 165 166 169 171 175 177 181 183 187 189 193 194 195 196; U1 1; U2 8 9 11 12 13 14 19 21 22 23 24 25 27 28 29 36 37 38 39; U3 1; U5 8 9 11; U7 1; U8 1; U9 3 4 5 6 7 10 11 12 13 15 25 26 27 28 29 30 31; U10 1; U11 8 13; U13 3; U16 1; U17 3 4 5 6 10 11; U22 5

## Via types
v1: diameter 0.45, hole 0.25, Top to Bottom, 419 vias
v2: diameter 0.6, hole 0.3, Top to Bottom, 102 vias
v3: diameter 0.8, hole 0.4, Top to Bottom, 14 vias
v4: diameter 1, hole 0.5, Top to Bottom, 5 vias

## Routing (per net, layer and track width the routed paths; a pad name or vN(x,y) marks a point on that pad's centre or on a via; arc(x,y) is an arc through that point)
+3.3V: length 426.9
  Top w0.127: 51.62,49.87 50.99,49.87 v1(50.63,49.5) ; 39.42,36.6 39.42,36.92 v1(39.9,37.4) 39.9,37.72 39.42,38.2
  Top w0.147: U2.18 65.33,7 v2(65.13,7.2) ; v1(84.16,10.74) 84.1,10.68 U12.9
  Top w0.2: v1(28.41,14.38) 28.32,14.28 U9.22 ; 25.95,45.02 24.62,45.02 U6.11 ; R28.2 8.2,7.64 v1(8.2,7.2) ; v1(51.7,24.92) 51.92,24.92 U10.5 ; U2.10 68.19,10.72 v1(68.87,11.4) ; U2.48 73.95,10.07 v2(73.95,10.23) ; v1(69.68,2.5) 69.69,2.5 U2.30 ; v1(33.11,9.88) 32.85,9.63 R16.1 ; D1.2 32.65,37.51 v1(32.92,37.78) ; v1(70.8,11.05) 70.69,10.93 U2.5 ; R23.1 19.03,19.89 v1(19.29,19.63) ; D3.2 48.02,27.81 v1(47.18,27.81) ; U9.14 v1(25.76,10.08) ; R17.1 v1(34.7,9.88) ; C18.2 v1(51.9,23.65) ; U9.8 v1(21.66,11.78)
  Top w0.23: v1(75.5,0.9) 75.1,1.3 R9.2 ; v3(55.9,4.7) 57.2,4.7 59.6,7.1 v3(59.6,9.9) ; v1(72.48,2.56) 72.19,2.85 U2.35 ; U2.41 73.83,6 74.15,5.69 v1(74.15,5.31) ; v1(22.57,15.9) 22.56,15.89 U9.1 22.41,15.43 C22.1
  Top w1: TP46.1 109.24,9.44 107.42,9.44 ; 107.42,9.44 107.42,10.08 ; 107.42,9.44 107.89,9.44 v1(108.52,8.82) ; 107.42,9.44 107.42,8.26 v1(107.69,7.99) ; v1(17.7,7.4) 16.8,8.3 16.41,8.3
  In2.Cu w0.23: 73,4 73,3.09 v1(72.48,2.56)
  In2.Cu w0.36: v1(74.15,5.31) 74.15,7.54 74.63,8.02 ; v1(14.16,15.16) 12.7,13.7 12.7,7.2 ; 12.7,7.2 17.5,7.2 v1(17.7,7.4) ; 12.7,7.2 10.67,7.2 ; v2(30.6,38.1) 30.6,38.5 29.15,39.95 ; v1(51.9,23.65) 51.9,24.71 v1(51.7,24.92) ; 74.63,8.02 78.08,8.02 79.5,6.6 ; 74.63,8.02 74.63,9.55 v2(73.95,10.23) ; 10.67,7.2 v1(8.2,7.2) ; 10.67,7.2 10.67,7.47 v2(10.61,7.53) ; 66.7,5.9 66.7,5.3 ; 66.7,5.9 66.44,5.9 v2(65.13,7.2) ; 66.7,5.9 66.66,5.94 ; v1(22.57,15.9) 22.57,13.73 23,13.3
  In2.Cu w1: 82.9,4.7 82.9,4.4 81.7,3.2 73.8,3.2 73,4 69.85,4 ; 82.9,4.7 v3(84.2,4.7) 82.1,2.6 ; 82.9,4.7 82.63,4.43 80.72,4.43 79.5,5.65 79.5,6.6 ; 50.31,49.5 49.1,48.3 43.2,48.3 40.28,45.38 40.28,44.06 40.93,43.4 v1(41.2,43.4) 39.5,41.7 30.4,41.7 ; 50.31,49.5 62.09,49.5 66.12,45.48 66.12,41.78 65.05,40.7 65.05,33.85 65.3,33.6 ; 50.31,49.5 v1(50.63,49.5) ; 69.85,4 69.85,2.67 v1(69.68,2.5) ; 69.85,4 67.4,4 66.7,4.7 66.7,5.9 ; v2(30.6,38.1) 32.59,38.1 v1(32.92,37.78) 34.74,39.6 38.74,39.6 40.17,38.17 39.83,37.84 39.83,37.47 ; 22.16,44.74 22.16,46.14 16.9,51.4 12.6,51.4 9.3,54.7 9.3,57.38 J13.1 ; 22.16,44.74 U6.11 ; 22.16,44.74 21.52,44.1 21.52,41.28 22.85,39.95 ; v1(17.7,7.4) 19.2,8.9 21.84,8.9 ; 18.3,22.9 18.3,31.7 20.8,34.2 20.8,35 U6.13 23.53,39.27 22.85,39.95 ; 18.3,22.9 18.8,22.4 41.77,22.4 v1(47.18,27.81) 50.07,24.92 v1(51.7,24.92) ; 18.3,22.9 18.3,20.62 v1(19.29,19.63) 18.3,18.64 18.3,18 23,13.3 23,12.16 24.2,10.96 24.2,8.9 ; 27.45,39.95 29.15,39.95 30.4,41.2 30.4,41.7 ; 27.45,39.95 22.85,39.95 ; 27.45,39.95 28.75,39.95 ; v1(29.65,44.98) 30.4,44.23 30.4,41.7 ; 65.3,33.6 61.37,33.6 61.27,33.7 61.14,33.58 60.46,33.58 60.21,33.82 59.56,33.82 58.08,32.34 58.08,32.27 58,32.19 v1(58,31.8) 57.7,32.1 v1(57.6,32.1) ; 65.3,33.6 65.82,33.6 v3(67.4,32.03) ; J15.1 J15.2 21.93,8.81 21.84,8.9 ; v1(34.7,9.88) 34.02,9.2 30.4,9.2 ; 30.4,9.2 30.32,9.28 27.38,9.28 27,8.9 ; 30.4,9.2 30.4,12.38 v1(28.41,14.38) ; 21.84,8.9 24.2,8.9 ; 24.2,8.9 27,8.9 ; 27,8.9 28.4,10.3
  In2.Cu w2: TP46.1 109.6,9.9 v1(108.52,8.82) v1(107.69,7.99) 104.15,4.45 96.15,4.45 93.6,7 86.18,7 84.2,5.02 v3(84.2,4.7)
  Bottom w0.147: v1(29.65,44.98) 29.65,45.57 L3.2 ; L2.1 41,43.2 v1(41.2,43.4) ; R6.2 69.21,3.54 69.73,3.02 69.73,2.55 v1(69.68,2.5)
  Bottom w0.2: v1(57.6,32.1) 57.51,32 57.51,30.91 57.51,31.3 v1(58,31.8) ; v1(14.16,15.16) C50.1 13.4,16.66 U17.18 ; 27.52,14.23 27.66,14.38 v1(28.41,14.38) ; v1(25.76,10.08) 25.76,9.38 25.46,9.08 C23.1 ; v1(32.92,37.78) 32.28,37.78 U14.8
  Bottom w0.23: v1(75.5,0.9) 75.1,1.3 74.02,1.3 73.33,1.99 73.05,1.99 v1(72.48,2.56) ; 84.56,11.41 84.56,11.14 v1(84.16,10.74) ; 58.6,9.9 v3(59.6,9.9) ; C7.1 74.15,5.98 v1(74.15,5.31)
  Bottom w0.36: U14.8 31.1,37.6 v2(30.6,38.1) 29.13,38.1 C65.1 28.6,40.38 C64.1 ; v2(73.95,10.23) 74.39,10.23 C8.1 ; 68.26,10.31 67.67,9.72 65.55,9.72 C1.1 65.01,7.33 v2(65.13,7.2) ; 68.26,10.31 68.26,10.47 68.87,11.09 v1(68.87,11.4) ; 68.26,10.31 68.4,10.16 71.17,10.16 C6.1 71.33,10.51 v1(70.8,11.05) ; v2(10.61,7.53) 10.21,7.93 10.21,9.04 10.26,9.08 U13.5 ; 67.33,32.09 v3(67.4,32.03) ; v3(84.2,4.7) 84.2,10.7 v1(84.16,10.74)
  Bottom w0.5: C27.2 64.49,32.1 64.5,32.09 U15.12 67.33,32.09 ; v1(60.8,33.7) 60.5,33.7 R56.1 ; v1(69.68,2.5) 69.68,1.8 69.38,1.5 C3.1
